# KiCad board ElonMux.kicad_pcb (continued)
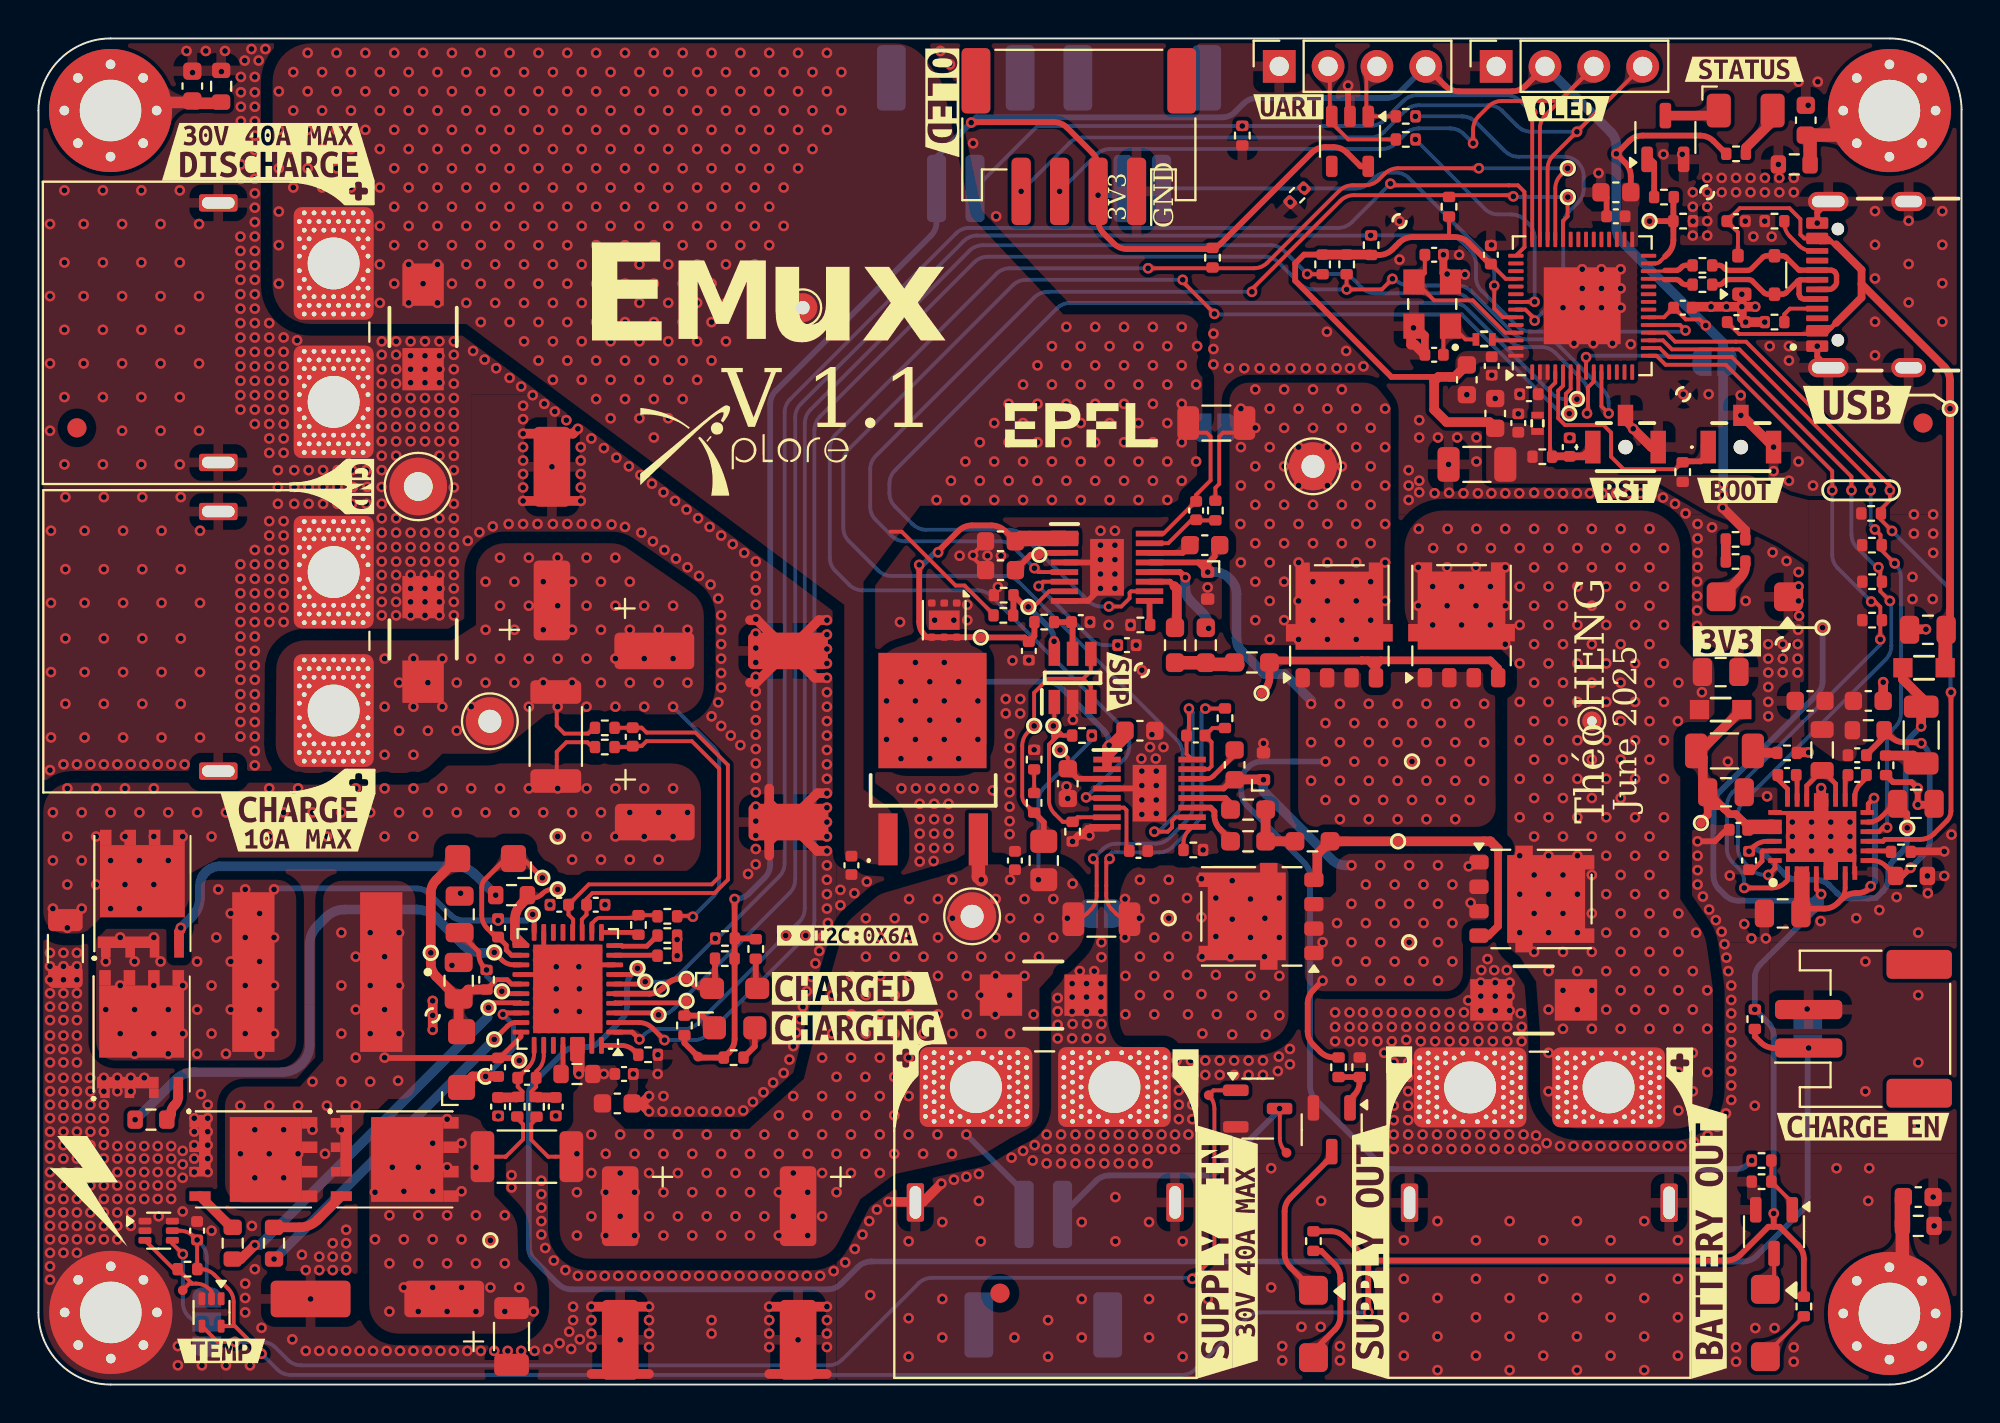
[diagram p0: board, top side]
## Routing (per net, layer and track width the routed paths; a pad name or vN(x,y) marks a point on that pad's centre or on a via; arc(x,y) is an arc through that point) (continued)
/Project Architecture/Power - Power Path/+VBAT_O: length 0.9
  L1 (Sig, PWR) w0.2: R807.2 62.21,49.5 NT806.1
  vias: v1(62.53,50.75) v1(62.53,48.75) v1(62.53,46.75) v1(62.5,44.75) v1(62.53,42.75) v1(63.28,51.75) v1(63.28,49.75) v1(63.28,47.75) v1(63.28,45.75) v1(63.28,43.75) v1(63.28,41.75) v1(63.28,39.75) v1(64.03,50.75) v1(64.03,48.75) v1(64.03,46.75) v1(64.03,44.75) v1(64.03,42.75) v1(64.03,40.75) v1(64.03,38.75) v1(64.78,51.75) v1(64.78,49.75) v1(64.78,47.75) v1(64.78,45.75) v1(64.78,43.75) v1(64.78,41.75) v1(64.78,39.75) v1(65.53,50.75) v1(65.53,48.75) v1(65.53,46.75) v1(65.53,44.75) v1(65.53,42.75) v1(65.53,40.75) v1(65.53,38.75) v1(66.28,51.75) v1(66.28,49.75) v1(66.28,45.75) v1(66.28,43.75) v1(66.28,41.75) v1(66.28,39.75) v1(67.03,50.75) v1(67.03,48.75) v1(67.03,46.75) v1(67.03,44.75) v1(67.03,42.75) v1(67.03,40.75) v1(67.03,38.75) v1(67.78,51.75) v1(67.78,49.75) v1(67.78,47.75) v1(67.78,45.75) v1(67.78,43.75) v1(67.78,41.75) v1(67.78,39.75) v1(68.53,50.75) v1(68.53,48.75) v1(68.53,46.75) v1(68.53,44.75) v1(68.53,42.75) v1(68.53,40.75) v1(68.53,38.75) v1(69.28,49.75) v1(69.28,47.75) v1(69.28,45.75) v1(69.28,43.75) v1(69.28,41.75) v1(69.28,39.75) v1(70.03,50.75) v1(70.03,48.75) v1(70.03,46.75) v1(70.03,44.75) v1(70.03,42.75) v1(70.03,40.75)
/Project Architecture/Power - Power Path/VCC1: length 3.5
  L1 (Sig, PWR) w0.2: v1(53.12,33) 53.53,32.6 C812.1
  L1 (Sig, PWR) w0.3: IC801.3 54.05,31.5 C812.1
  L4 (Sig, PWR) w0.2: 53.03,33 v1(53.12,33)
/Project Architecture/Power - Power Path/VCC2: length 2.9
  L1 (Sig, PWR) w0.3: C814.1 51.59,43.14 52,43.14 52.1,43.25 IC802.3
/Project Architecture/Power - Power Path/VDD: length 41.2
  L1 (Sig, PWR) w0.25: 53.96,43.75 53.96,44.24 53.95,44.25 IC802.1 ; 51.53,44.25 50.99,44.25
  L1 (Sig, PWR) w0.3: R812.1 51.79,38.92 C810.1 51.28,38.85 TP814.1 48.99,38.86 U801.4 46.19,38.86 46.09,38.96 arc(45.88,39.28) 45.8,39.66 v1(45.8,42.63) ; 56.25,33.75 C811.1 ; v1(46.78,43.28) 46.82,43.24 46.82,43.37 47.83,44.38 arc(48.16,44.6) 48.54,44.68 49.56,44.68 arc(49.94,44.6) 50.27,44.38 C813.1 50.9,43.75 IC802.2 IC802.1 51.05,44.25 50.8,44
  L1 (Sig, PWR) w0.4: 55.56,32.05 55.56,32.48
  L1 (Sig, PWR) w0.5: C813.1 50.95,44 53.65,44 53.8,43.85 ; 55.56,32.23 55.56,33.14 v1(55.68,33.25) 55.75,33.25 C811.1 56.5,33.6 55.62,32.73
  L4 (Sig, PWR) w0.3: v1(47.85,36.55) 52.45,36.55 arc(52.83,36.47) 53.15,36.26 55.38,34.03 arc(55.6,33.7) 55.68,33.32 v1(55.68,33.25) ; v1(45.8,42.63) 45.97,42.63 46.63,43.28 v1(46.78,43.28)
  vias: v1(44.1,35.55) v1(44.1,33.55) v1(44.85,36.55) v1(44.85,34.55) v1(44.85,32.55) v1(45.6,37.55) v1(45.6,35.55) v1(45.6,33.55) v1(46.35,36.55) v1(46.35,34.55) v1(46.35,32.55) v1(47.1,37.55) v1(47.1,35.55) v1(47.1,33.55) v1(47.85,34.55) v1(47.85,32.55) v1(48.85,35.55) v1(48.85,33.55)
GND: length 122
  L1 (Sig, PWR) w0.2: IC801.8 54.53,29 v1(53.78,28.24) ; IC601.8 94.43,26.63 94.43,27.53 v1(94.2,27.75) ; v1(91.2,29.25) 91.2,29.4 90.88,29.73 90.32,29.73 IC601.23 ; 93.45,26.35 93.07,26.35 92.95,26.48 IC601.5 ; 48.5,43.1 C814.2 ; 48.5,43.1 C813.2 ; 48.5,43.1 48.57,43.1 v1(48.6,43.13) ; v1(49.89,41.48) 49.68,41.27 R824.2 ; v1(63.7,33.35) 63.7,32.95 63.6,32.85 ; v1(23.91,13.96) C714.2
  L1 (Sig, PWR) w0.25: U701.17 26.28,21.83 U701.37 ; U701.37 26.78,21.33 U701.22 ; U701.37 28.78,21.83 U701.8 ; U701.37 28.78,19.33 U701.35 ; IC601.18 92.95,29.5 v1(93.2,29.25) ; IC601.6 93.45,27.5 v1(93.2,27.75) 92.95,27.5 IC601.5 ; IC601.19 92.45,29.5 v1(92.2,29.25) ; v1(91.2,27.75) IC601.27 89.68,27.75 89.62,27.7 89.62,27.23 89.17,26.77 C613.2
  L1 (Sig, PWR) w0.3: C401.2 81.54,61.71 81.54,60.75 ; v1(68.1,67.55) 68.1,66.05 D1001.2 ; v1(92.5,54) 92.5,53.46 J1004.SH1 ; v1(92.5,60.4) 92.5,60.95 J1004.SH2 ; IC801.4 57.22,31 v1(57.38,31.15) ; 86.45,28.25 87.17,28.25 87.69,28.78 ; 58.07,34 C811.2 57.78,34.28 ; v1(55.22,41.4) 54.57,40.75 IC802.8 ; v1(55.22,42.9) 55.07,42.75 IC802.4 ; 93.2,28 v1(93.2,27.75) ; v1(92.7,31.01) 92.7,30.75 ; IC803.2 53.78,34.83 53.79,34.81 v1(53.79,34.57) ; R610.1 96.44,31.33 97.4,31.33 v1(97.72,31) v1(97.72,30.15) ; 2.94,4.58 H1202.1
  L1 (Sig, PWR) w0.4: S401.3 82.53,50.1 v1(82.93,49.7) ; 55.56,28.95 54.75,28.95 54.65,28.85 v1(54.65,28.55) 54.09,28.55 v1(53.78,28.24) ; R611.2 97.38,27.73 v1(99.1,27.73) ; 71.62,55.03 72.09,54.56 C409.1 ; v1(97.72,30.15) 98.6,30.15 98.83,30.39 ; v1(73.06,58.75) 73.06,57.8 73.53,57.33
  L1 (Sig, PWR) w0.5: v1(33.21,23.14) v1(33.21,22.3) ; v1(90.22,48.75) 88.57,50.4 v1(88.53,50.4) ; 30.79,14.6 31.35,14.6 ; 31.35,14.6 v1(31.75,15) ; 31.35,14.6 v1(31.75,14.2) ; 37,36.5 37.32,36.5 C708.2 ; v1(89.76,55.25) v1(88.78,55.25) 88.57,55.45 v1(88.57,56.7) ; v1(41,39.75) 40.57,39.75 C708.2 ; C708.2 37.38,39.75 37,39.75 ; C708.2 40.38,36.75 v1(41,36.75) ; 97.97,39.28 97.15,39.28 97.12,39.25 ; v1(20.5,18.45) v1(20.5,19.95) ; C706.2 40.5,27.75 v1(41,27.75) ; C706.2 38,28.25 38,27.5 ; C706.2 38,30.25 38,31 ; C706.2 40.5,30.75 v1(41,30.75) ; C409.1 71.57,54.08 71.38,54.08 71.38,54.89 Y401.4 ; v1(28.75,4.05) v1(31.75,4.05) ; R601.1 91.46,32.88 v1(92.05,32.88) ; 2.97,4.54 H1202.1 ; v1(93.2,27.75) 93.2,26.5 ; v1(95.93,36.53) C609.1 ; 91.94,19.5 v1(91.97,19.53) 92,19.56 ; v1(28.2,45.95) v1(25.2,45.95) ; v1(89.28,56.05) 86.03,56.05 C407.2 ; v1(92.7,31.01) IC601.29 ; S401.2 83.88,48.75 v1(82.93,49.7) ; v1(44.2,9.5) 46,9.5 v1(46.95,10.45) ; 28.75,0.55 31.75,0.55 ; v1(28.05,49.7) 27.8,49.45 v1(25.2,49.45) ; v1(38,4.05) v1(41,4.05) ; 38,0.55 41,0.55
  vias: v1(0.6,60.35) v1(0.6,56.6) v1(0.6,53.1) v1(0.6,49.6) v1(0.6,31.95) v1(0.6,22.45) v1(0.6,21.75) v1(0.6,21.05) v1(0.6,20.35) v1(0.6,19.65) v1(0.6,18.95) v1(0.6,18.15) v1(0.6,17.45) v1(0.6,16.75) v1(0.6,15.95) v1(0.6,15.25) v1(0.6,14.55) v1(0.6,13.85) v1(0.6,13.15) v1(0.6,12.45) v1(0.6,11.75) v1(0.6,11.05) v1(0.6,10.35) v1(0.6,9.65) v1(0.6,8.95) v1(0.6,8.25) v1(0.6,7.55) v1(0.6,6.85) v1(0.6,6.15) v1(0.6,5.45) v1(0.65,44.4) v1(0.65,40.65) v1(0.65,37.05) v1(0.65,33.65) v1(1.35,62.1) v1(1.35,58.35) v1(1.35,54.85) v1(1.35,51.35) v1(1.35,47.85) v1(1.3,32.25) v1(1.3,22.45) v1(1.3,21.75) v1(1.3,21.05) v1(1.3,20.35) v1(1.3,19.65) v1(1.3,18.95) v1(1.3,18.15) v1(1.3,17.45) v1(1.3,16.75) v1(1.3,15.95) v1(1.3,15.25) v1(1.3,14.55) v1(1.3,13.85) v1(1.3,13.15) v1(1.3,12.45) v1(1.3,11.75) v1(1.3,11.05) v1(1.3,10.35) v1(1.3,9.65) v1(1.3,8.95) v1(1.3,8.25) v1(1.3,7.55) v1(1.3,6.85) v1(1.4,46.15) v1(1.4,42.4) v1(1.4,38.8) v1(1.4,35.4) v1(2,32.25) v1(2,22.45) v1(2,21.75) v1(2,21.05) v1(2,20.35) v1(2,19.65) v1(2,18.95) v1(2,18.15) v1(2,17.45) v1(2,16.75) v1(2,15.95) v1(2,15.25) v1(2,14.55) v1(2,13.85) v1(2,13.15) v1(2,12.45) v1(2,11.75) v1(2,11.05) v1(2,10.35) v1(2,9.65) v1(2,8.95) v1(2,8.25) v1(2,7.55) v1(2,6.85) v1(2.35,60.35) v1(2.35,56.6) v1(2.35,53.1) v1(2.4,44.4) v1(2.4,40.65) v1(2.4,37.05) v1(2.4,33.65) v1(2.7,32.25) v1(2.7,15.95) v1(2.7,15.25) v1(2.7,14.55) v1(2.7,13.85) v1(2.7,13.15) v1(2.7,12.45) v1(2.7,11.75) v1(2.7,11.05) v1(2.7,10.35) v1(2.7,9.65) v1(2.7,8.95) v1(2.7,8.25) v1(2.7,7.55) v1(3.35,62.1) v1(3.35,58.35) v1(3.35,54.85) v1(3.35,51.35) v1(3.35,47.85) v1(3.4,46.15) v1(3.4,42.4) v1(3.4,38.8) v1(3.4,35.4) v1(3.4,32.25) v1(3.4,15.95) v1(3.4,15.25) v1(3.4,14.55) v1(3.4,13.85) v1(3.4,13.15) v1(3.4,12.45) v1(3.4,11.75) v1(3.4,11.05) v1(3.4,10.35) v1(3.4,9.65) v1(3.4,8.95) v1(3.4,8.25) v1(3.4,7.55) v1(4.1,32.25) v1(4.1,15.95) v1(4.1,15.25) v1(4.1,12.4) v1(4.1,11.75) v1(4.1,11.05) v1(4.1,10.35) v1(4.1,9.65) v1(4.1,8.95) v1(4.1,8.25) v1(4.1,7.55) v1(4.35,60.35) v1(4.35,56.6) v1(4.35,53.1) v1(4.35,49.6) v1(4.4,44.4) v1(4.4,40.65) v1(4.4,37.05) v1(4.4,33.65) v1(4.8,32.25) v1(4.8,15.95) v1(4.8,15.25) v1(4.8,12.4) v1(4.8,11.75) v1(4.8,11.05) v1(4.8,10.35) v1(4.8,9.65) v1(4.8,8.95) v1(4.8,8.25) v1(5.35,62.1) v1(5.35,58.35) v1(5.35,54.85) v1(5.35,51.35) v1(5.35,47.85) v1(5.4,46.15) v1(5.4,42.4) v1(5.4,38.8) v1(5.4,35.4) v1(5.5,32.25) v1(5.5,15.95) v1(5.5,12.4) v1(5.5,11.75) v1(5.5,11.05) v1(5.5,10.35) v1(5.5,9.65) v1(6.2,32.25) v1(6.2,12.4) v1(6.2,11.75) v1(6.2,11.05) v1(6.2,10.35) v1(6.2,9.65) v1(6.35,60.35) v1(6.35,56.6) v1(6.35,53.1) v1(6.35,49.6) v1(6.25,8.75) v1(6.4,44.4) v1(6.4,40.65) v1(6.4,37.05) v1(6.4,33.65) v1(6.9,32.25) v1(6.9,12.4) v1(6.9,11.75) v1(6.9,11.05) v1(6.9,10.35) v1(6.9,9.65) v1(7.35,62.1) v1(7.35,58.35) v1(7.35,54.85) v1(7.35,51.35) v1(7.35,47.85) v1(7.25,2) v1(7.25,1) v1(7.4,46.15) v1(7.4,42.4) v1(7.4,38.8) v1(7.4,35.4) v1(7.5,12.15) v1(7.5,11.45) v1(7.5,10.75) v1(7.5,9) v1(7.6,32.25) v1(7.7,69.35) v1(8.01,68.23) v1(8.1,13.85) v1(8.1,13.15) v1(8.1,12.45) v1(8.1,11.75) v1(8.1,11.05) v1(8.35,60.35) v1(8.35,56.6) v1(8.35,53.1) v1(8.35,49.6) v1(8.4,44.4) v1(8.4,40.65) v1(8.4,37.05) v1(8.4,33.65) v1(8.45,15.1) v1(8.5,1) v1(8.7,69.35) v1(8.8,14.55) v1(8.8,13.85) v1(8.8,13.15) v1(8.8,12.45) v1(8.8,11.75) v1(8.8,11.05) v1(9,8) v1(9.51,68.28) v1(9.7,69.35) v1(9.75,1) v1(10.53,68) v1(10.53,67.2) v1(10.53,66.45) v1(10.53,65.7) v1(10.53,64.95) v1(10.53,64.2) v1(10.53,63.45) v1(10.53,62.7) v1(10.5,59.7) v1(10.5,58.95) v1(10.5,58.2) v1(10.5,57.45) v1(10.5,56.7) v1(10.5,55.95) v1(10.5,55.2) v1(10.5,54.45) v1(10.5,53.7) v1(10.5,52.95) v1(10.5,52.2) v1(10.5,51.45) v1(10.5,50.7) v1(10.5,42.65) v1(10.5,41.9) v1(10.5,41.15) v1(10.5,40.4) v1(10.5,39.65) v1(10.5,38.9) v1(10.5,38.15) v1(10.5,37.4) v1(10.5,36.65) v1(10.5,35.9) v1(10.5,35.2) v1(10.5,34.45) v1(10.5,33.7) v1(10.72,68.85) v1(10.75,5.25) v1(10.75,4.5) v1(10.75,3.75) v1(11,1) v1(11.08,69.45) v1(11.1,8.25) v1(11.25,68) v1(11.25,67.2) v1(11.25,66.45) v1(11.25,65.7) v1(11.25,64.95) v1(11.25,64.2) v1(11.25,63.45) v1(11.25,62.7) v1(11.25,61.95) v1(11.25,61.2) v1(11.25,60.45) v1(11.25,59.7) v1(11.25,58.95) v1(11.25,58.2) v1(11.25,57.45) v1(11.25,56.7) v1(11.25,55.95) v1(11.25,55.2) v1(11.25,54.45) v1(11.25,53.7) v1(11.25,52.95) v1(11.25,52.2) v1(11.25,51.45) v1(11.25,50.7) v1(11.25,49.95) v1(11.25,43.4) v1(11.25,42.65) v1(11.25,41.9) v1(11.25,41.15) v1(11.25,40.4) v1(11.25,39.65) v1(11.25,38.9) v1(11.25,38.15) v1(11.25,37.4) v1(11.25,36.65) v1(11.25,35.9) v1(11.25,35.2) v1(11.25,34.45) v1(11.25,33.7) v1(11.25,32.95) v1(11.25,32.2) v1(11.25,6) v1(11.45,68.85) v1(11.6,2.95) v1(11.8,69.45) v1(12,55.2) v1(12,54.45) v1(12,53.7) v1(12,52.95) v1(12,52.2) v1(12,51.45) v1(12,50.7) v1(12,49.95) v1(12,49.2) v1(12,48.45) v1(12,44.9) v1(12,44.15) v1(12,43.4) v1(12,42.65) v1(12,41.9) v1(12,41.15) v1(12,40.4) v1(12,39.65) v1(12.45,47.55) v1(12.45,46.68) v1(12.45,45.8) v1(12.75,54.45) v1(12.75,53.7) v1(12.75,52.95) v1(12.75,52.2) v1(12.75,51.45) v1(12.75,50.7) v1(12.75,49.95) v1(12.75,49.2) v1(12.75,48.45) v1(12.75,44.9) v1(12.75,44.15) v1(12.75,43.4) v1(12.75,42.65) v1(12.75,41.9) v1(12.75,41.15) v1(12.75,40.4) v1(12.75,39.65) v1(13.2,2.35) v1(13.3,47.55) v1(13.3,46.68) v1(13.3,45.8) v1(13.45,54.3) v1(13.7,6.75) v1(13.9,5.95) v1(13.9,1.75) v1(14.05,47.55) v1(14.05,46.68) v1(14.05,45.8) v1(14.15,4.45) v1(14.6,6.65) v1(14.6,5.95) v1(14.6,1.75) v1(14.8,47.55) v1(14.8,46.68) v1(14.8,45.8) v1(15.3,7.35) v1(15.3,6.65) v1(15.3,5.95) v1(15.3,1.75) v1(15.55,47.55) v1(15.55,46.68) v1(15.55,45.8) v1(16,8.05) v1(16,7.35) v1(16,6.65) v1(16,5.95) v1(16,1.75) v1(16.3,47.55) v1(16.35,46.68) v1(16.3,45.8) v1(16.7,1.75) v1(17.05,47.55) v1(17.1,46.68) v1(17.05,45.8) v1(17.4,1.75) v1(17.85,54.25) v1(17.85,53.55) v1(17.85,52.8) v1(17.85,52.05) v1(17.85,51.3) v1(17.85,50.55) v1(17.85,49.8) v1(17.85,49.05) v1(17.85,48.3) v1(17.85,47.55) v1(17.85,46.68) v1(17.85,45.8) v1(17.85,45.05) v1(17.85,44.3) v1(17.85,43.55) v1(17.85,42.8) v1(17.85,42.1) v1(17.85,41.4) v1(17.85,40.7) v1(17.85,40) v1(18.1,1.75) v1(18.6,54.25) v1(18.6,53.55) v1(18.6,52.8) v1(18.6,52.05) v1(18.6,51.3) v1(18.6,50.55) v1(18.6,49.8) v1(18.6,49.05) v1(18.6,48.3) v1(18.6,45.05) v1(18.6,44.3) v1(18.6,43.55) v1(18.6,42.8) v1(18.6,42.1) v1(18.6,41.4) v1(18.6,40.7) v1(18.6,40) v1(18.8,1.75) v1(19.35,54.25) v1(19.35,53.5) v1(19.35,52.8) v1(19.35,52.1) v1(19.35,51.3) v1(19.35,50.55) v1(19.35,49.8) v1(19.35,49.05) v1(19.35,44.3) v1(19.35,43.55) v1(19.35,42.8) v1(19.35,42.1) v1(19.35,41.4) v1(19.35,40.7) v1(19.35,40) v1(19.5,1.75) v1(20.1,54.25) v1(20.1,53.5) v1(20.1,52.8) v1(20.1,52.1) v1(20.1,51.3) v1(20.1,50.55) v1(20.1,49.8) v1(20.1,49.05) v1(20.1,44.3) v1(20.1,43.55) v1(20.1,42.8) v1(20.1,42.1) v1(20.1,41.4) v1(20.1,40.7) v1(20.1,40) v1(20.2,1.75) v1(20.5,19.2) v1(20.85,54.25) v1(20.85,53.5) v1(20.85,52.8) v1(20.85,52.1) v1(20.85,51.3) v1(20.85,50.55) v1(20.85,49.8) v1(20.85,49.05) v1(20.85,48.3) v1(20.85,45.05) v1(20.85,44.3) v1(20.85,43.55) v1(20.85,42.8) v1(20.85,42.1) v1(20.85,41.4) v1(20.85,40.7) v1(20.85,40) v1(20.9,1.75) v1(21.5,21.8) v1(21.6,54.25) v1(21.6,53.55) v1(21.6,52.8) v1(21.6,52.05) v1(21.6,51.3) v1(21.6,50.55) v1(21.6,49.8) v1(21.6,49.05) v1(21.6,48.3) v1(21.6,47.55) v1(21.6,46.65) v1(21.6,45.8) v1(21.6,45.05) v1(21.6,44.3) v1(21.6,43.55) v1(21.6,42.8) v1(21.6,42.1) v1(21.6,41.4) v1(21.6,40.7) v1(21.6,40) v1(21.6,1.75) v1(21.95,25.55) v1(22.32,43.88) v1(22.3,1.75) v1(22.6,53.75) v1(22.93,44.33) v1(23,1.75) v1(23.2,53.3) v1(23.62,44.63) v1(23.7,1.75) v1(23.8,52.85) v1(24.45,44.75) v1(24.4,1.75) v1(24.5,52.35) v1(24.6,10.89) v1(24.6,10.25) v1(25.1,51.9) v1(25.1,1.75) v1(25.2,50.9) v1(25.2,50.2) v1(25.2,48.75) v1(25.2,48.05) v1(25.2,47.35) v1(25.2,46.65) v1(25.2,44.75) v1(25.7,51.45) v1(25.8,1.75) v1(25.95,44.75) v1(26.15,10.6) v1(26.15,9.9) v1(26.15,9.2) v1(26.15,8.5) v1(26.15,7.8) v1(26.3,51) v1(26.35,7.1) v1(26.5,1.85) v1(26.6,24.95) v1(26.7,47.73) v1(26.75,44.75) v1(26.85,50.6) v1(26.8,6.45) v1(26.93,21.73) v1(26.93,20.58) v1(26.93,19.43) v1(26.9,13.97) v1(27.1,2.15) v1(27.45,50.15) v1(27.4,5.95) v1(27.5,44.75) v1(27.6,2.75) v1(27.7,1.85) v1(27.8,4.05) v1(27.8,3.35) v1(28.1,21.73) v1(28.12,20.58) v1(28.12,19.4) v1(28.05,5.65) v1(28.2,48.75) v1(28.2,48.05) v1(28.2,47.35) v1(28.2,46.65) v1(28.15,2.35) v1(28.25,44.75) v1(28.75,49.2) v1(28.75,5.65) v1(28.75,3.35) v1(28.75,2.65) v1(28.75,1.95) v1(29,44.75) v1(29.4,48.7) v1(29.45,5.65) v1(29.46,24.95) v1(29.8,44.73) v1(30.05,48.2) v1(30.15,5.65) v1(30.25,2.33) v1(30.5,44.6) v1(30.7,47.75) v1(30.85,5.65) v1(30.93,16.15) v1(31.3,47.3) v1(31.35,44.3) v1(31.55,5.65) v1(31.75,3.35) v1(31.75,2.65) v1(31.75,1.95) v1(31.9,46.85) v1(31.95,43.85) v1(32.21,17.15) v1(32.2,16.15) v1(32.25,5.65) v1(32.45,14.2) v1(32.5,46.4) v1(32.5,15) v1(32.55,43.4) v1(32.95,5.65) v1(33.1,45.95) v1(33.15,42.95) v1(33.15,14.2) v1(33.7,45.5) v1(33.75,42.5) v1(33.65,5.65) v1(33.85,14.2) v1(34.3,45.05) v1(34.35,42.05) v1(34.35,5.65) v1(34.55,14.2) v1(34.9,44.6) v1(34.95,41.6) v1(35,34.75) v1(35,3.35) v1(35,2.65) v1(35.05,5.65) v1(35.35,40.88) v1(35.35,35.48) v1(35.25,14.2) v1(35.5,44.15) v1(35.5,40) v1(35.5,39.25) v1(35.5,38.5) v1(35.5,37.75) v1(35.5,37) v1(35.5,36.25) v1(35.5,34.25) v1(35.75,5.65) v1(35.95,14.2) v1(36,33.75) v1(36.1,43.7) v1(36.45,5.65) v1(36.5,33.25) v1(36.7,43.25) v1(36.65,14.25) v1(36.9,26.55) v1(37.15,14.7) v1(37.15,5.65) v1(37.3,42.8) v1(37.3,42.05) v1(37.3,41.3) v1(37.3,40.55) v1(37.3,39.8) v1(37.3,39.05) v1(37.3,38.3) v1(37.3,37.55) v1(37.3,36.8) v1(37.3,36.05) v1(37.3,35.3) v1(37.3,34.55) v1(37.3,33.8) v1(37.3,33.05) v1(37.3,32.3) v1(37.3,31.55) v1(37.3,30.8) v1(37.3,30.05) v1(37.3,29.3) v1(37.3,28.55) v1(37.3,27.85) v1(37.3,27.05) v1(37.7,15.2) v1(37.85,5.65) v1(38,3.35) v1(38,2.65) v1(38,1.95) v1(38.2,15.7) v1(38.55,5.65) v1(38.75,16.2) v1(39.05,16.9) v1(39.25,17.6) v1(39.25,5.65) v1(39.4,18.3) v1(39.5,2.33) v1(39.6,19) v1(39.75,19.65) v1(39.95,20.45) v1(39.95,5.65) v1(40.2,21.2) v1(40.4,21.9) v1(40.6,22.55) v1(40.65,5.65) v1(40.8,23.3) v1(41,39) v1(41,38.25) v1(41,37.5) v1(41,36) v1(41,35.25) v1(41,34.5) v1(41,33.75) v1(41,33) v1(41,32.25) v1(41,31.5) v1(41,30) v1(41,29.25) v1(41,28.5) v1(41,27) v1(41,26.25) v1(41,25.5) v1(41,24.75) v1(41,3.35) v1(41,2.65) v1(41,1.95) v1(41.05,24) v1(41.35,5.9) v1(41.7,25.73) v1(41.7,24.93) v1(41.95,6.35) v1(42.43,25.55) v1(42.45,7.05) v1(42.85,7.8) v1(43.07,26.15) v1(43.2,8.5) v1(43.25,4.65) v1(43.6,9.1) v1(44.8,39.65) v1(44.88,31) v1(45.25,7.45) v1(45.25,3.45) v1(45.25,1.45) v1(45.62,31) v1(45.82,30.2) v1(45.82,29.4) v1(45.82,28.65) v1(45.82,27.9) v1(45.82,27.2) v1(46.38,31) v1(46.6,39.75) v1(46.57,30.2) v1(46.57,29.4) v1(46.57,28.65) v1(46.57,27.9) v1(46.55,27.23) v1(46.9,69.35) v1(47,8.45) v1(47,4.45) v1(47,2.45) v1(47.12,31) v1(47.32,30.2) v1(47.32,29.4) v1(47.32,28.65) v1(47.32,27.9) v1(47.4,68.65) v1(47.6,39.75) v1(47.6,10.65) v1(47.9,43.1) v1(47.88,31) v1(48.3,40.55) v1(48.3,39.75) v1(48.25,10.8) v1(48.6,64.55) v1(48.62,31) v1(48.9,10.95) v1(48.9,9.55) v1(49,7.45) v1(49.35,43.1) v1(49.62,30.9) v1(49.8,60.75) v1(50.05,43.1) v1(50.3,35.65) v1(50.3,34.9) v1(50.5,33.85) v1(50.5,33.1) v1(50.5,32.3) v1(50.5,31.55) v1(50.5,30.8) v1(50.5,30.05) v1(50.5,29.3) v1(50.5,28.62) v1(50.6,11.8) v1(50.65,37.65) v1(50.75,2.45) v1(51.05,35.65) v1(51.05,34.9) v1(51.2,12.15) v1(51.5,37.67) v1(51.7,11.65) v1(51.78,33.01) v1(51.8,12.45) v1(52.43,13) v1(52.43,12.25) v1(52.43,11.5) v1(52.5,3.35) v1(52.5,1.45) v1(53,20.1) v1(53,19.41) v1(53,18.7) v1(53,18) v1(53.18,13) v1(53.18,12.25) v1(53.18,11.5) v1(53.46,31.1) v1(53.53,30.48) v1(53.75,20.85) v1(53.75,20.15) v1(53.75,19.4) v1(53.75,18) v1(53.78,18.75) v1(53.93,13) v1(53.93,12.25) v1(53.93,11.5) v1(54.15,21.5) v1(54.25,8.45) v1(54.25,4.45) v1(54.25,2.45) v1(54.5,20.85) v1(54.5,20.15) v1(54.5,19.4) v1(54.53,18.75) v1(54.5,18) v1(54.68,39.65) v1(54.68,13) v1(54.68,12.25) v1(54.68,11.5) v1(54.9,21.5) v1(55.22,44.4) v1(55.22,43.65) v1(55.22,42.15) v1(55.28,23) v1(55.28,22.23) v1(55.25,20.85) v1(55.25,20.15) v1(55.25,19.4) v1(55.28,18.75) v1(55.25,18) v1(55.43,13) v1(55.43,12.25) v1(55.43,11.5) v1(55.65,39.5) v1(55.97,44.4) v1(55.97,43.65) v1(55.97,42.9) v1(55.97,42.15) v1(55.97,41.4) v1(56,9.75) v1(56,7.45) v1(56.18,13) v1(56.18,12.25) v1(56.18,11.5) v1(56.79,39.5) v1(56.93,13) v1(56.93,12.25) v1(56.93,11.5) v1(57.08,38.45) v1(57.35,32.55) v1(57.38,37.15) v1(57.38,31.9) v1(57.38,30.4) v1(57.38,29.65) v1(57.68,13) v1(57.68,12.25) v1(57.68,11.5) v1(57.75,8.45) v1(57.75,4.45) v1(57.75,2.45) v1(57.8,33.15) v1(57.9,33.8) v1(58.1,32.55) v1(58.12,31.9) v1(58.12,31.15) v1(58.12,30.4) v1(58.12,29.7) v1(58.4,13) v1(58.4,12.25) v1(58.5,33.15) v1(59.1,13) v1(59.1,12.25) v1(59.18,16.85) v1(59.18,16.1) v1(59.3,15.3) v1(59.3,14.55) v1(59.3,13.8) v1(59.5,7.45) v1(59.5,3.45) v1(59.5,1.45) v1(59.8,13) v1(59.93,16.85) v1(59.93,16.1) v1(60,15.3) v1(60,14.55) v1(60,13.8) v1(60.56,27.8) v1(60.68,16.85) v1(60.68,16.1) v1(60.8,41.45) v1(60.8,4.45) v1(61.1,54.65) v1(61.1,53.85) v1(61.1,53.05) v1(61.43,16.85) v1(61.43,16.1) v1(61.9,52.85) v1(62.18,16.85) v1(62.18,16.1) v1(62.7,52.85) v1(62.93,16.85) v1(62.93,16.1) v1(63.5,52.85) v1(63.68,16.85) v1(63.68,16.1) v1(64.1,11.25) v1(64.1,5.05) v1(64.3,52.85) v1(64.45,16.3) v1(64.5,17.05) v1(64.68,2) v1(64.68,1.25) v1(65.09,61.49) v1(65.1,52.85) v1(65.07,17.45) v1(65.07,16.65) v1(65.68,3) v1(65.9,52.85) v1(66.7,52.85) v1(66.7,9.55) v1(66.68,3) v1(67,54.75) v1(67.43,19.35) v1(67.43,18.6) v1(67.43,17.85) v1(67.5,52.85) v1(67.68,2) v1(67.68,1.25) v1(68,53.75) v1(68.2,52.85) v1(68.18,19.35) v1(68.18,18.6) v1(68.18,17.85) v1(68.9,52.95) v1(68.88,19.35) v1(68.88,18.6) v1(68.88,17.85) v1(69.62,19.35) v1(69.62,18.6) v1(69.62,17.85) v1(69.97,17.25) v1(70.38,19.35) v1(70.38,18.6) v1(70.38,17.85) v1(70.47,16.75) v1(70.47,16) v1(70.47,15.25) v1(70.47,14.5) v1(70.47,13.75) v1(70.47,13) v1(70.47,12.25) v1(70.78,60.5) v1(70.78,58.5) v1(70.88,17.3) v1(71,7.5) v1(71,5.5) v1(71,3.5) v1(71,1.5) v1(71.12,19.35) v1(71.12,18.6) v1(71.12,17.93) v1(71.22,16.75) v1(71.22,16) v1(71.22,15.25) v1(71.22,14.5) v1(71.22,13.75) v1(71.22,13) v1(71.22,12.25) v1(71.25,47.55) v1(71.25,46.75) v1(71.25,46) v1(71.5,54.95) v1(71.8,50.15) v1(71.8,49.25) v1(71.8,47) v1(71.8,46.4) v1(71.88,19.35) v1(71.88,18.6) v1(71.88,17.85) v1(71.97,13) v1(71.97,12.25) v1(72.6,46.35) v1(72.62,19.35) v1(72.62,18.6) v1(72.62,17.85) v1(72.72,13) v1(72.72,12.25) v1(72.75,8.5) v1(72.75,4.5) v1(72.75,2.5) v1(72.75,0.75) v1(72.78,49.25) v1(73.25,57.75) v1(73.32,47.85) v1(73.35,46.38) v1(73.38,19.35) v1(73.38,18.6) v1(73.38,17.85) v1(73.47,13) v1(73.47,12.25) v1(73.78,49.25) v1(73.88,58.75) v1(74.1,46.35) v1(74.12,19.35) v1(74.12,18.6) v1(74.12,17.85) v1(74.17,57.73) v1(74.22,13) v1(74.22,12.25) v1(74.28,51.48) v1(74.35,19.98) v1(74.75,7.5) v1(74.75,5.5) v1(74.75,3.5) v1(74.75,1.5) v1(74.78,49.25) v1(74.78,48) v1(74.85,46.35) v1(74.88,18.6) v1(74.88,17.85) v1(75.03,21.55) v1(75,20.9) v1(75,20.2) v1(75,19.45) v1(74.97,13) v1(74.97,12.25) v1(75.35,22.13) v1(75.56,59.26) v1(75.57,52.49) v1(75.55,46.35) v1(75.62,18.6) v1(75.62,17.85) v1(75.75,51.28) v1(75.7,21.55) v1(75.75,20.9) v1(75.75,20.2) v1(75.75,19.45) v1(75.72,13) v1(75.72,12.25) v1(76.28,46.35) v1(76.35,21.55) v1(76.38,18.6) v1(76.38,17.85) v1(76.5,20.9) v1(76.5,20.2) v1(76.5,19.45) v1(76.47,13) v1(76.47,12.25) v1(76.5,8.5) v1(76.5,4.5) v1(76.5,2.5) v1(76.5,0.75) v1(76.95,50.48) v1(77.03,51.5) v1(77,46.35) v1(77.07,19.3) v1(77.12,18.6) v1(77.12,17.85) v1(77.22,13) v1(77.22,12.25) v1(77.78,46.38) v1(77.88,12.95) v1(77.88,12.25) v1(78.25,7.5) v1(78.25,5.5) v1(78.25,3.5) v1(78.25,1.5) v1(78.43,12.55) v1(78.55,46.35) v1(79.12,12.4) v1(79.28,56) v1(79.28,46.35) v1(79.62,49.23) v1(79.85,54.15) v1(79.82,12.4) v1(80,46.35) v1(80,8.5) v1(80,4.5) v1(80,2.5) v1(80,0.75) v1(80.28,58) v1(80.28,57) v1(80.28,56) v1(80.53,12.4) v1(80.68,46.35) v1(80.85,54.15) v1(81.12,63) v1(81.22,12.4) v1(81.28,58) v1(81.28,57) v1(81.28,56) v1(81.32,46.35) v1(81.75,7.5) v1(81.75,5.5) v1(81.75,3.5) v1(81.75,1.5) v1(81.85,54.15) v1(81.93,12.4) v1(82.05,46.35) v1(82.28,58) v1(82.28,57) v1(82.28,56) v1(82.62,12.4) v1(82.72,46.35) v1(82.8,54.1) v1(83.3,46.35) v1(83.32,12.4) v1(83.5,8.5) v1(83.5,4.5) v1(83.5,2.5) v1(83.5,0.75) v1(83.9,46.3) v1(84.03,12.4) v1(84.5,63.98) v1(84.47,46.13) v1(84.72,12.4) v1(85.1,45.8) v1(85.25,7.5) v1(85.25,5.5) v1(85.25,3.5) v1(85.25,1.5) v1(85.43,12.4) v1(85.47,63.98) v1(85.53,51.5) v1(85.65,45.3) v1(86.03,62) v1(86.03,61.25) v1(86.03,60.5) v1(86.03,59.75) v1(86.1,12.6) v1(86.28,44.75) v1(86.28,44) v1(86.28,43.25) v1(86.28,42.5) v1(86.25,41.75) v1(86.25,41) v1(86.25,40.25) v1(86.25,39.45) v1(86.28,28.25) v1(86.28,27.5) v1(86.28,26.75) v1(86.28,26) v1(86.55,25.38) v1(86.78,62.75) v1(86.78,62) v1(86.78,61.25) v1(86.78,60.5) v1(86.78,59.75) v1(86.85,51.5) v1(86.8,12.95) v1(86.88,24.7) v1(86.97,56.05) v1(87.03,44.58) v1(87.22,24.15) v1(87.3,13.4) v1(87.53,62.75) v1(87.53,62) v1(87.53,23.55) v1(87.68,22.9) v1(87.75,14.1) v1(87.78,56.05) v1(87.85,32.4) v1(87.78,22.2) v1(87.95,26.47) v1(87.88,21.5) v1(88.03,20.75) v1(88.03,20) v1(88.03,19.3) v1(88.03,18.55) v1(88.03,17.8) v1(88.03,17.05) v1(88.03,16.3) v1(88.03,15.55) v1(88.03,14.8) v1(88.28,62.75) v1(88.28,62) v1(88.28,1.94) v1(88.28,1.19) v1(88.52,51.44) v1(88.57,56.05) v1(88.7,23.95) v1(88.75,60.5) v1(88.78,40.75) v1(89.03,62.75) v1(89.03,62) v1(89.07,23.2) v1(89.18,59.7) v1(89.25,14.5) v1(89.28,2.94) v1(89.78,62.75) v1(89.78,62) v1(89.76,60.5) v1(89.82,23.2) v1(89.95,38.5) v1(89.95,37.75) v1(89.95,37.03) v1(89.95,36.28) v1(89.95,35.5) v1(89.95,34.75) v1(89.89,30.59) v1(90.03,54) v1(90.12,59.7) v1(90.22,47.5) v1(90.18,43.28) v1(90.28,2.94) v1(90.47,63.45) v1(90.53,62.75) v1(90.53,62) v1(90.7,38.5) v1(90.7,37.75) v1(90.7,37.03) v1(90.9,42.83) v1(91.03,54) v1(91.03,53.25) v1(91.03,47) v1(91.2,28.5) v1(91.28,62.75) v1(91.28,62) v1(91.28,1.94) v1(91.28,1.19) v1(91.53,67.75) v1(91.53,48) v1(91.53,42.25) v1(91.53,41.5) v1(91.53,40.75) v1(91.5,39.25) v1(91.47,38.5) v1(91.47,37.75) v1(91.47,37.03) v1(91.55,39.98) v1(92.03,66.53) v1(92.2,28.5) v1(92.2,27.75) v1(92.28,46.75) v1(92.53,67.75) v1(92.68,24.1) v1(93.2,28.5) v1(93.5,11.25) v1(94.2,29.25) v1(94.2,28.5) v1(94.53,24.25) v1(95,22) v1(95,15.25) v1(95.2,11.25) v1(95.15,9.55) v1(95.5,61.02) v1(95.5,59.27) v1(95.5,57.52) v1(95.5,55.27) v1(95.5,53.52) v1(95.72,24.68) v1(96.62,25.35) v1(97.25,60.52) v1(97.25,58.27) v1(97.25,56.27) v1(97.45,42) v1(97.45,40.85) v1(97.53,45.25) v1(97.53,44.25) v1(97.75,23.5) v1(97.75,20.25) v1(97.75,16.75) v1(97.75,13.5) v1(98.15,39.28) v1(98.22,26.45) v1(98.25,25.55) v1(98.53,45.25) v1(98.53,44.25) v1(98.53,43.25) v1(98.5,40.85) v1(98.53,9.75) v1(98.57,8.25) v1(99,61.02) v1(99,59.27) v1(99,57.27) v1(99,55.27) v1(99.1,26.45) v1(99.47,28.6)
+VCHARGE: length 1.1
  L1 (Sig, PWR) w0.2: R702.1 26.95,31.44 NT703.2
  vias: v1(0.75,29.75) v1(0.75,27.25) v1(0.75,24.75) v1(1.5,31) v1(1.5,28.5) v1(1.5,26) v1(1.5,23.75) v1(2.25,29.75) v1(2.25,27.25) v1(2.25,24.75) v1(3,31) v1(3,28.5) v1(3,26) v1(3.75,29.75) v1(3.75,27.25) v1(3.75,24.75) v1(4.5,31) v1(4.5,28.5) v1(4.5,26) v1(5.25,29.75) v1(5.25,27.25) v1(5.25,24.75) v1(6,31) v1(6,28.5) v1(6,26) v1(6.75,29.75) v1(6.75,27.25) v1(7.5,28.5) v1(8.25,29.75) v1(9,28.5) v1(9.75,29.75) v1(10.5,28.5) v1(11.25,29.75) v1(12,31) v1(12,28.5) v1(12.75,29.75) v1(13.5,31) v1(13.5,28.5) v1(14.25,29.75) v1(15,31) v1(15,28.5) v1(15.75,29.75) v1(16.5,31) v1(16.5,28.5) v1(17.25,29.75) v1(18,31) v1(18,28.5) v1(18.75,29.75) v1(19.5,31) v1(19.5,28.5) v1(20.25,29.75) v1(21,31) v1(21.75,29.75) v1(22.5,31) v1(23.25,29.75) v1(24,31) v1(24.75,29.75) v1(25.5,31) v1(26.25,29.75) v1(27,31) v1(27,28.5) v1(27.75,29.75) v1(27.75,27.3) v1(28.5,31) v1(28.5,28.5) v1(29.25,29.75) v1(29.25,27.3) v1(30,31) v1(30,28.5) v1(30.75,29.75) v1(30.75,27.3) v1(31.5,31) v1(31.5,28.5) v1(32.25,29.75) v1(32.25,27.3) v1(33,31) v1(33,28.5) v1(33.75,29.75)
